# Altium PCB PCB4.PcbDoc (part 9 of 12) (continued)
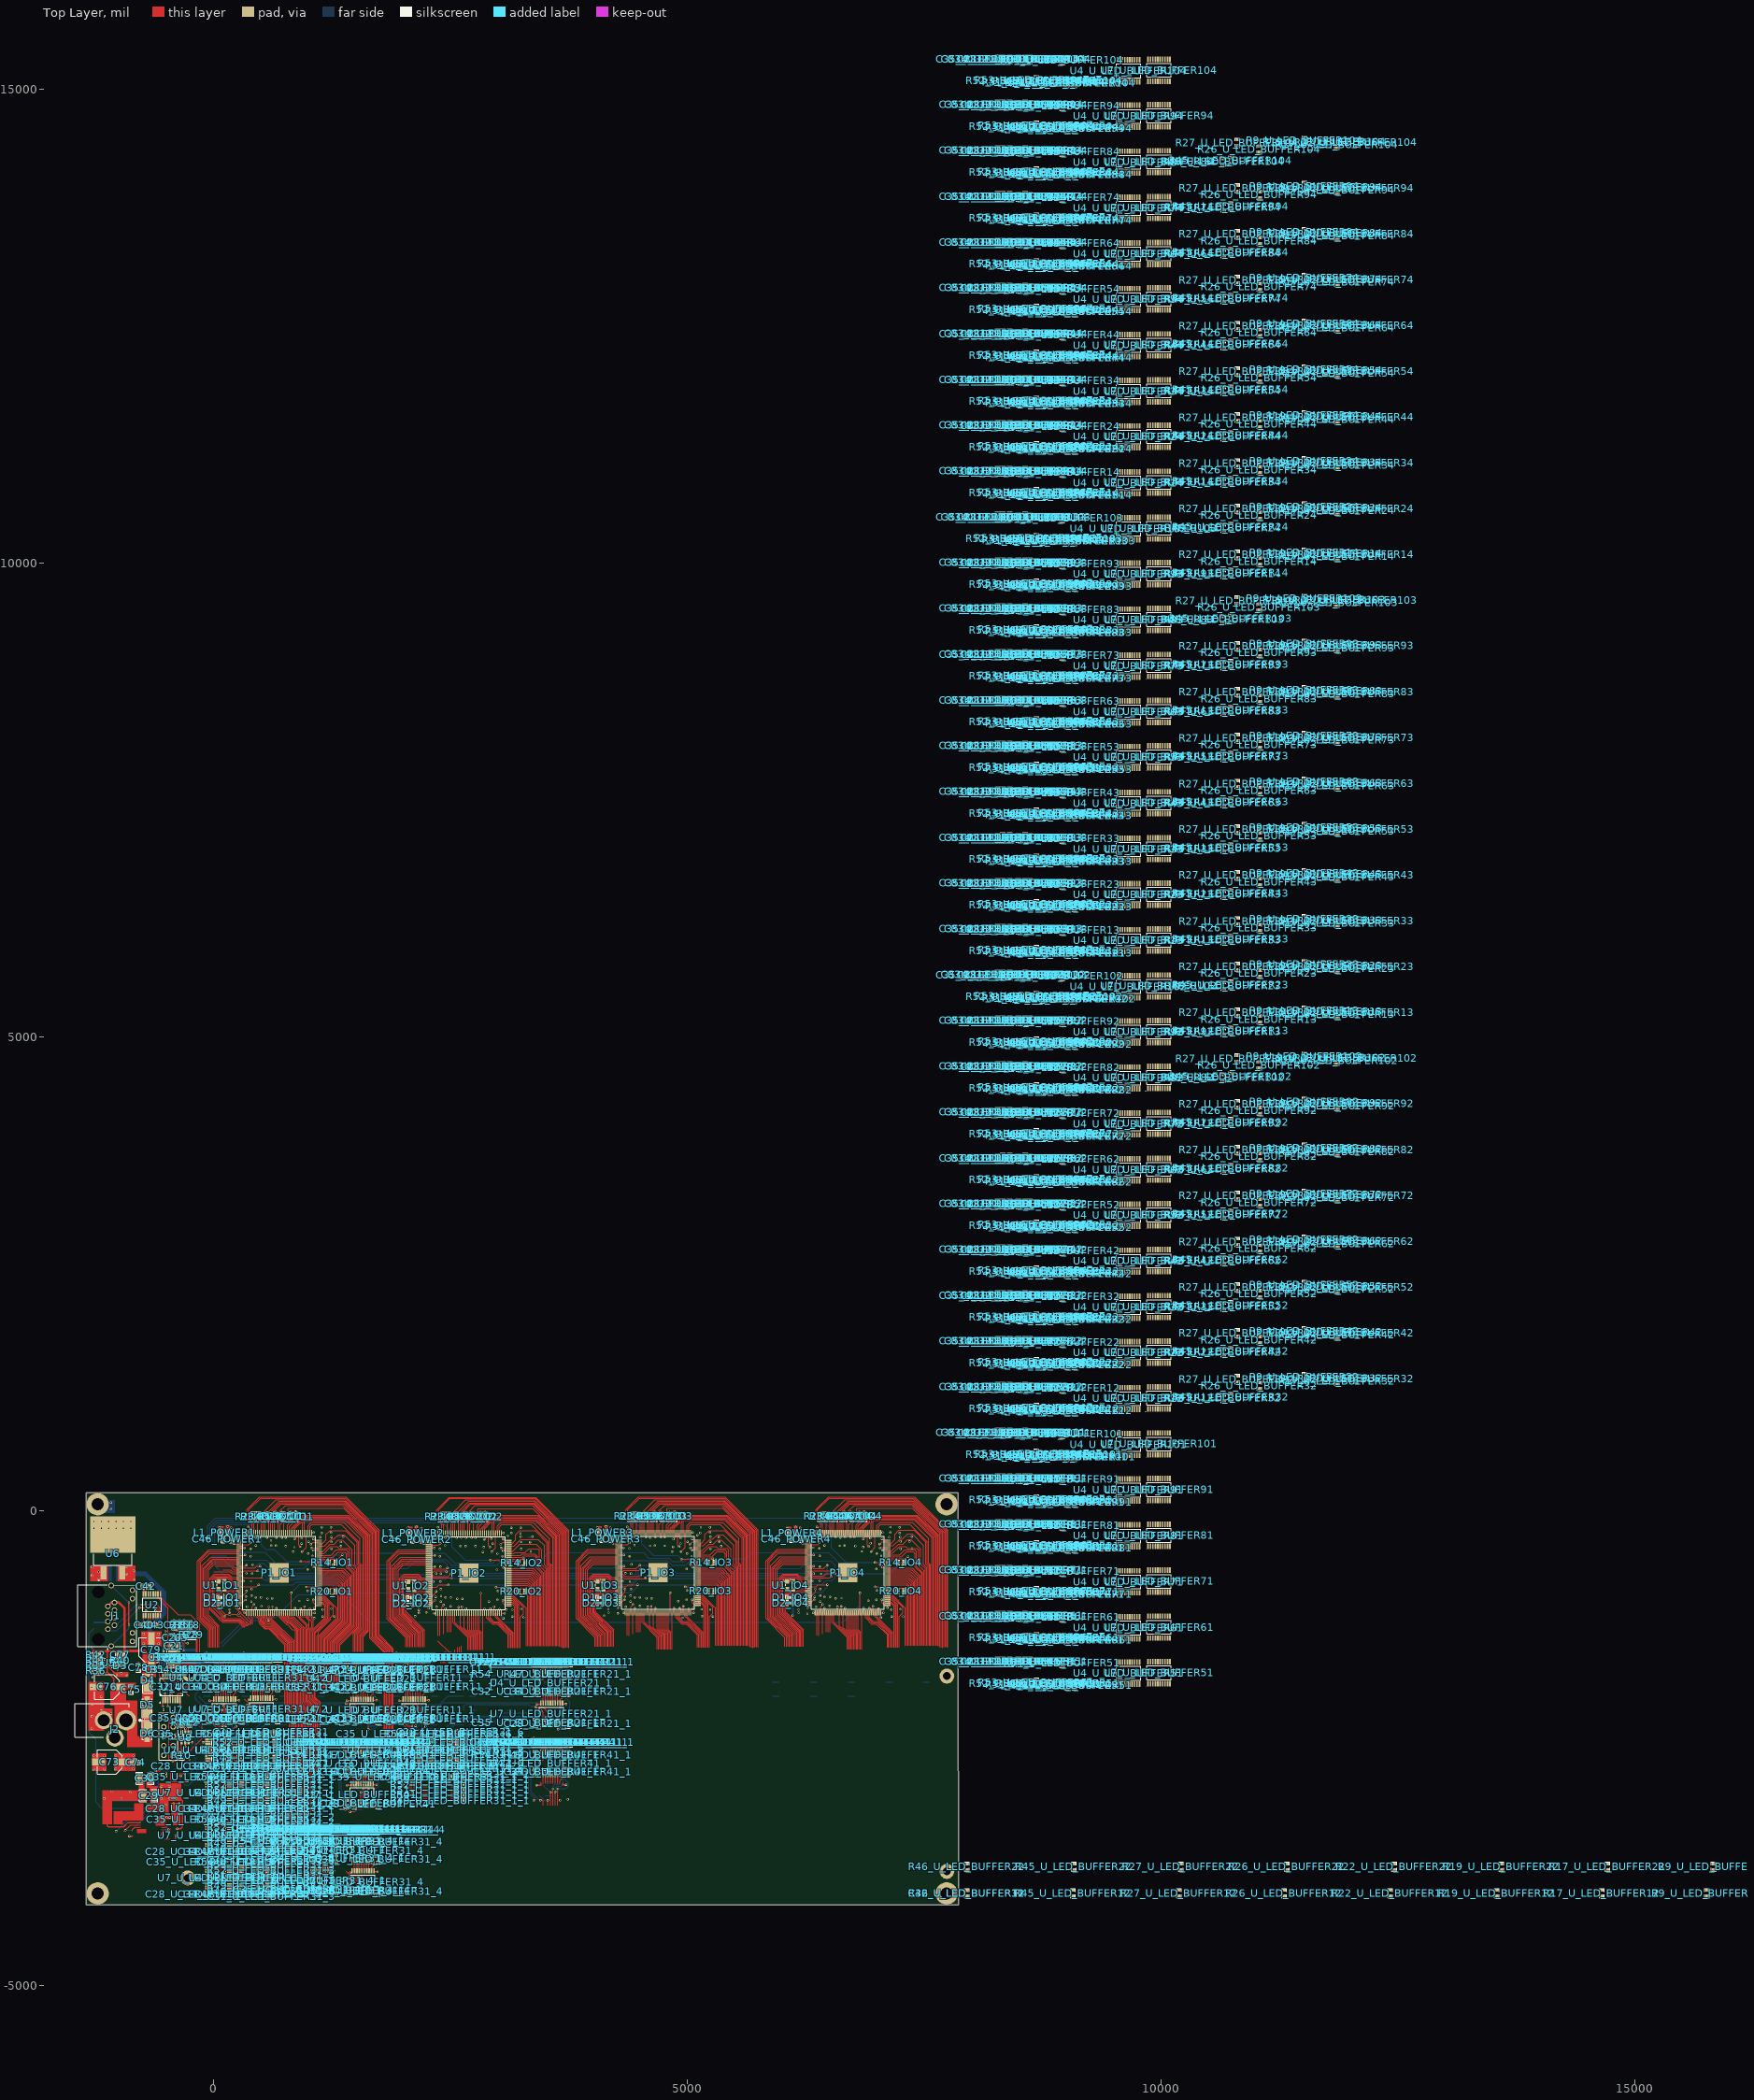
[diagram p0: Top Layer view]
## Nets (pads, with @x,y where several pads share a name; then routed paths per layer and width w, separated by ;. In a path a pad name is that pad's centre, name@x,y a point inside that pad or via, vN(x,y) a via of type N, cw(c..) or ccw(c..) an arc to the next point about the centre after c; other vN are vias at no path point) (continued)
NetR48_U_LED_BUFFER52_1: R48_U_LED_BUFFER52.1 U4_U_LED_BUFFER52.3
NetR48_U_LED_BUFFER53_1: R48_U_LED_BUFFER53.1 U4_U_LED_BUFFER53.3
NetR48_U_LED_BUFFER54_1: R48_U_LED_BUFFER54.1 U4_U_LED_BUFFER54.3
NetR48_U_LED_BUFFER61_1: R48_U_LED_BUFFER61.1 U4_U_LED_BUFFER61.3
NetR48_U_LED_BUFFER62_1: R48_U_LED_BUFFER62.1 U4_U_LED_BUFFER62.3
NetR48_U_LED_BUFFER63_1: R48_U_LED_BUFFER63.1 U4_U_LED_BUFFER63.3
NetR48_U_LED_BUFFER64_1: R48_U_LED_BUFFER64.1 U4_U_LED_BUFFER64.3
NetR48_U_LED_BUFFER71_1: R48_U_LED_BUFFER71.1 U4_U_LED_BUFFER71.3
NetR48_U_LED_BUFFER72_1: R48_U_LED_BUFFER72.1 U4_U_LED_BUFFER72.3
NetR48_U_LED_BUFFER73_1: R48_U_LED_BUFFER73.1 U4_U_LED_BUFFER73.3
NetR48_U_LED_BUFFER74_1: R48_U_LED_BUFFER74.1 U4_U_LED_BUFFER74.3
NetR48_U_LED_BUFFER81_1: R48_U_LED_BUFFER81.1 U4_U_LED_BUFFER81.3
NetR48_U_LED_BUFFER82_1: R48_U_LED_BUFFER82.1 U4_U_LED_BUFFER82.3
NetR48_U_LED_BUFFER83_1: R48_U_LED_BUFFER83.1 U4_U_LED_BUFFER83.3
NetR48_U_LED_BUFFER84_1: R48_U_LED_BUFFER84.1 U4_U_LED_BUFFER84.3
NetR48_U_LED_BUFFER91_1: R48_U_LED_BUFFER91.1 U4_U_LED_BUFFER91.3
NetR48_U_LED_BUFFER92_1: R48_U_LED_BUFFER92.1 U4_U_LED_BUFFER92.3
NetR48_U_LED_BUFFER93_1: R48_U_LED_BUFFER93.1 U4_U_LED_BUFFER93.3
NetR48_U_LED_BUFFER94_1: R48_U_LED_BUFFER94.1 U4_U_LED_BUFFER94.3
NetR48_U_LED_BUFFER101_1: R48_U_LED_BUFFER101.1 U4_U_LED_BUFFER101.3
NetR48_U_LED_BUFFER102_1: R48_U_LED_BUFFER102.1 U4_U_LED_BUFFER102.3
NetR48_U_LED_BUFFER103_1: R48_U_LED_BUFFER103.1 U4_U_LED_BUFFER103.3
NetR48_U_LED_BUFFER104_1: R48_U_LED_BUFFER104.1 U4_U_LED_BUFFER104.3
NetR49_U_LED_BUFFER11_1: R49_U_LED_BUFFER11.1 U4_U_LED_BUFFER11.4 | length 94.9
  Top Layer w7: U4_U_LED_BUFFER11.4@158.39,-1644.33 158.39,-1611.61 200,-1570 R49_U_LED_BUFFER11.1@203.33,-1570
NetR49_U_LED_BUFFER12_1: R49_U_LED_BUFFER12.1 U4_U_LED_BUFFER12.4
NetR49_U_LED_BUFFER13_1: R49_U_LED_BUFFER13.1 U4_U_LED_BUFFER13.4
NetR49_U_LED_BUFFER14_1: R49_U_LED_BUFFER14.1 U4_U_LED_BUFFER14.4
NetR49_U_LED_BUFFER21_1: R49_U_LED_BUFFER21.1 U4_U_LED_BUFFER21.4 | length 94.9
  Top Layer w7: U4_U_LED_BUFFER21.4@1608.39,-1654.33 1608.39,-1621.61 1650,-1580 R49_U_LED_BUFFER21.1@1653.33,-1580
NetR49_U_LED_BUFFER22_1: R49_U_LED_BUFFER22.1 U4_U_LED_BUFFER22.4
NetR49_U_LED_BUFFER23_1: R49_U_LED_BUFFER23.1 U4_U_LED_BUFFER23.4
NetR49_U_LED_BUFFER24_1: R49_U_LED_BUFFER24.1 U4_U_LED_BUFFER24.4
NetR49_U_LED_BUFFER31_1: R49_U_LED_BUFFER31.1 U4_U_LED_BUFFER31.4 | length 94.9
  Top Layer w7: U4_U_LED_BUFFER31.4@505.67,-2558.39 538.39,-2558.39 580,-2600 R49_U_LED_BUFFER31.1@580,-2603.33
NetR49_U_LED_BUFFER32_1: R49_U_LED_BUFFER32.1 U4_U_LED_BUFFER32.4
NetR49_U_LED_BUFFER33_1: R49_U_LED_BUFFER33.1 U4_U_LED_BUFFER33.4
NetR49_U_LED_BUFFER34_1: R49_U_LED_BUFFER34.1 U4_U_LED_BUFFER34.4
NetR49_U_LED_BUFFER41_1: R49_U_LED_BUFFER41.1 U4_U_LED_BUFFER41.4 | length 94.9
  Top Layer w7: U4_U_LED_BUFFER41.4@1608.39,-2544.33 1608.39,-2511.61 1650,-2470 R49_U_LED_BUFFER41.1@1653.33,-2470
NetR49_U_LED_BUFFER42_1: R49_U_LED_BUFFER42.1 U4_U_LED_BUFFER42.4
NetR49_U_LED_BUFFER43_1: R49_U_LED_BUFFER43.1 U4_U_LED_BUFFER43.4
NetR49_U_LED_BUFFER44_1: R49_U_LED_BUFFER44.1 U4_U_LED_BUFFER44.4
NetR49_U_LED_BUFFER51_1: R49_U_LED_BUFFER51.1 U4_U_LED_BUFFER51.4
NetR49_U_LED_BUFFER52_1: R49_U_LED_BUFFER52.1 U4_U_LED_BUFFER52.4
NetR49_U_LED_BUFFER53_1: R49_U_LED_BUFFER53.1 U4_U_LED_BUFFER53.4
NetR49_U_LED_BUFFER54_1: R49_U_LED_BUFFER54.1 U4_U_LED_BUFFER54.4
NetR49_U_LED_BUFFER61_1: R49_U_LED_BUFFER61.1 U4_U_LED_BUFFER61.4
NetR49_U_LED_BUFFER62_1: R49_U_LED_BUFFER62.1 U4_U_LED_BUFFER62.4
NetR49_U_LED_BUFFER63_1: R49_U_LED_BUFFER63.1 U4_U_LED_BUFFER63.4
NetR49_U_LED_BUFFER64_1: R49_U_LED_BUFFER64.1 U4_U_LED_BUFFER64.4
NetR49_U_LED_BUFFER71_1: R49_U_LED_BUFFER71.1 U4_U_LED_BUFFER71.4
NetR49_U_LED_BUFFER72_1: R49_U_LED_BUFFER72.1 U4_U_LED_BUFFER72.4
NetR49_U_LED_BUFFER73_1: R49_U_LED_BUFFER73.1 U4_U_LED_BUFFER73.4
NetR49_U_LED_BUFFER74_1: R49_U_LED_BUFFER74.1 U4_U_LED_BUFFER74.4
NetR49_U_LED_BUFFER81_1: R49_U_LED_BUFFER81.1 U4_U_LED_BUFFER81.4
NetR49_U_LED_BUFFER82_1: R49_U_LED_BUFFER82.1 U4_U_LED_BUFFER82.4
NetR49_U_LED_BUFFER83_1: R49_U_LED_BUFFER83.1 U4_U_LED_BUFFER83.4
NetR49_U_LED_BUFFER84_1: R49_U_LED_BUFFER84.1 U4_U_LED_BUFFER84.4
NetR49_U_LED_BUFFER91_1: R49_U_LED_BUFFER91.1 U4_U_LED_BUFFER91.4
NetR49_U_LED_BUFFER92_1: R49_U_LED_BUFFER92.1 U4_U_LED_BUFFER92.4
NetR49_U_LED_BUFFER93_1: R49_U_LED_BUFFER93.1 U4_U_LED_BUFFER93.4
NetR49_U_LED_BUFFER94_1: R49_U_LED_BUFFER94.1 U4_U_LED_BUFFER94.4
NetR49_U_LED_BUFFER101_1: R49_U_LED_BUFFER101.1 U4_U_LED_BUFFER101.4
NetR49_U_LED_BUFFER102_1: R49_U_LED_BUFFER102.1 U4_U_LED_BUFFER102.4
NetR49_U_LED_BUFFER103_1: R49_U_LED_BUFFER103.1 U4_U_LED_BUFFER103.4
NetR49_U_LED_BUFFER104_1: R49_U_LED_BUFFER104.1 U4_U_LED_BUFFER104.4
NetR50_U_LED_BUFFER11_1: R50_U_LED_BUFFER11.1 U4_U_LED_BUFFER11.5 | length 80.5
  Top Layer w7: U4_U_LED_BUFFER11.5@132.8,-1644.33 132.8,-1584.98 R50_U_LED_BUFFER11.1@147.78,-1570
NetR50_U_LED_BUFFER12_1: R50_U_LED_BUFFER12.1 U4_U_LED_BUFFER12.5
NetR50_U_LED_BUFFER13_1: R50_U_LED_BUFFER13.1 U4_U_LED_BUFFER13.5
NetR50_U_LED_BUFFER14_1: R50_U_LED_BUFFER14.1 U4_U_LED_BUFFER14.5
NetR50_U_LED_BUFFER21_1: R50_U_LED_BUFFER21.1 U4_U_LED_BUFFER21.5 | length 80.5
  Top Layer w7: U4_U_LED_BUFFER21.5@1582.8,-1654.33 1582.8,-1594.98 R50_U_LED_BUFFER21.1@1597.78,-1580
NetR50_U_LED_BUFFER22_1: R50_U_LED_BUFFER22.1 U4_U_LED_BUFFER22.5
NetR50_U_LED_BUFFER23_1: R50_U_LED_BUFFER23.1 U4_U_LED_BUFFER23.5
NetR50_U_LED_BUFFER24_1: R50_U_LED_BUFFER24.1 U4_U_LED_BUFFER24.5
NetR50_U_LED_BUFFER31_1: R50_U_LED_BUFFER31.1 U4_U_LED_BUFFER31.5 | length 80.5
  Top Layer w7: U4_U_LED_BUFFER31.5@505.67,-2532.8 565.02,-2532.8 R50_U_LED_BUFFER31.1@580,-2547.78
NetR50_U_LED_BUFFER32_1: R50_U_LED_BUFFER32.1 U4_U_LED_BUFFER32.5
NetR50_U_LED_BUFFER33_1: R50_U_LED_BUFFER33.1 U4_U_LED_BUFFER33.5
NetR50_U_LED_BUFFER34_1: R50_U_LED_BUFFER34.1 U4_U_LED_BUFFER34.5
NetR50_U_LED_BUFFER41_1: R50_U_LED_BUFFER41.1 U4_U_LED_BUFFER41.5 | length 80.5
  Top Layer w7: U4_U_LED_BUFFER41.5@1582.8,-2544.33 1582.8,-2484.98 R50_U_LED_BUFFER41.1@1597.78,-2470
NetR50_U_LED_BUFFER42_1: R50_U_LED_BUFFER42.1 U4_U_LED_BUFFER42.5
NetR50_U_LED_BUFFER43_1: R50_U_LED_BUFFER43.1 U4_U_LED_BUFFER43.5
NetR50_U_LED_BUFFER44_1: R50_U_LED_BUFFER44.1 U4_U_LED_BUFFER44.5
NetR50_U_LED_BUFFER51_1: R50_U_LED_BUFFER51.1 U4_U_LED_BUFFER51.5
NetR50_U_LED_BUFFER52_1: R50_U_LED_BUFFER52.1 U4_U_LED_BUFFER52.5
NetR50_U_LED_BUFFER53_1: R50_U_LED_BUFFER53.1 U4_U_LED_BUFFER53.5
NetR50_U_LED_BUFFER54_1: R50_U_LED_BUFFER54.1 U4_U_LED_BUFFER54.5
NetR50_U_LED_BUFFER61_1: R50_U_LED_BUFFER61.1 U4_U_LED_BUFFER61.5
NetR50_U_LED_BUFFER62_1: R50_U_LED_BUFFER62.1 U4_U_LED_BUFFER62.5
NetR50_U_LED_BUFFER63_1: R50_U_LED_BUFFER63.1 U4_U_LED_BUFFER63.5
NetR50_U_LED_BUFFER64_1: R50_U_LED_BUFFER64.1 U4_U_LED_BUFFER64.5
NetR50_U_LED_BUFFER71_1: R50_U_LED_BUFFER71.1 U4_U_LED_BUFFER71.5
NetR50_U_LED_BUFFER72_1: R50_U_LED_BUFFER72.1 U4_U_LED_BUFFER72.5
NetR50_U_LED_BUFFER73_1: R50_U_LED_BUFFER73.1 U4_U_LED_BUFFER73.5
NetR50_U_LED_BUFFER74_1: R50_U_LED_BUFFER74.1 U4_U_LED_BUFFER74.5
NetR50_U_LED_BUFFER81_1: R50_U_LED_BUFFER81.1 U4_U_LED_BUFFER81.5
NetR50_U_LED_BUFFER82_1: R50_U_LED_BUFFER82.1 U4_U_LED_BUFFER82.5
NetR50_U_LED_BUFFER83_1: R50_U_LED_BUFFER83.1 U4_U_LED_BUFFER83.5
NetR50_U_LED_BUFFER84_1: R50_U_LED_BUFFER84.1 U4_U_LED_BUFFER84.5
NetR50_U_LED_BUFFER91_1: R50_U_LED_BUFFER91.1 U4_U_LED_BUFFER91.5
NetR50_U_LED_BUFFER92_1: R50_U_LED_BUFFER92.1 U4_U_LED_BUFFER92.5
NetR50_U_LED_BUFFER93_1: R50_U_LED_BUFFER93.1 U4_U_LED_BUFFER93.5
NetR50_U_LED_BUFFER94_1: R50_U_LED_BUFFER94.1 U4_U_LED_BUFFER94.5
NetR50_U_LED_BUFFER101_1: R50_U_LED_BUFFER101.1 U4_U_LED_BUFFER101.5
NetR50_U_LED_BUFFER102_1: R50_U_LED_BUFFER102.1 U4_U_LED_BUFFER102.5
NetR50_U_LED_BUFFER103_1: R50_U_LED_BUFFER103.1 U4_U_LED_BUFFER103.5
NetR50_U_LED_BUFFER104_1: R50_U_LED_BUFFER104.1 U4_U_LED_BUFFER104.5
NetR51_U_LED_BUFFER11_1: R51_U_LED_BUFFER11.1 U4_U_LED_BUFFER11.6 | length 80.5
  Top Layer w7: R51_U_LED_BUFFER11.1@92.22,-1570 107.2,-1584.98 U4_U_LED_BUFFER11.6@107.2,-1644.33
NetR51_U_LED_BUFFER12_1: R51_U_LED_BUFFER12.1 U4_U_LED_BUFFER12.6
NetR51_U_LED_BUFFER13_1: R51_U_LED_BUFFER13.1 U4_U_LED_BUFFER13.6
NetR51_U_LED_BUFFER14_1: R51_U_LED_BUFFER14.1 U4_U_LED_BUFFER14.6
NetR51_U_LED_BUFFER21_1: R51_U_LED_BUFFER21.1 U4_U_LED_BUFFER21.6 | length 80.5
  Top Layer w7: R51_U_LED_BUFFER21.1@1542.22,-1580 1557.2,-1594.98 U4_U_LED_BUFFER21.6@1557.2,-1654.33
NetR51_U_LED_BUFFER22_1: R51_U_LED_BUFFER22.1 U4_U_LED_BUFFER22.6
NetR51_U_LED_BUFFER23_1: R51_U_LED_BUFFER23.1 U4_U_LED_BUFFER23.6
NetR51_U_LED_BUFFER24_1: R51_U_LED_BUFFER24.1 U4_U_LED_BUFFER24.6
NetR51_U_LED_BUFFER31_1: R51_U_LED_BUFFER31.1 U4_U_LED_BUFFER31.6 | length 80.5
  Top Layer w7: U4_U_LED_BUFFER31.6@505.67,-2507.2 565.02,-2507.2 R51_U_LED_BUFFER31.1@580,-2492.22
NetR51_U_LED_BUFFER32_1: R51_U_LED_BUFFER32.1 U4_U_LED_BUFFER32.6
NetR51_U_LED_BUFFER33_1: R51_U_LED_BUFFER33.1 U4_U_LED_BUFFER33.6
NetR51_U_LED_BUFFER34_1: R51_U_LED_BUFFER34.1 U4_U_LED_BUFFER34.6
NetR51_U_LED_BUFFER41_1: R51_U_LED_BUFFER41.1 U4_U_LED_BUFFER41.6 | length 80.5
  Top Layer w7: R51_U_LED_BUFFER41.1@1542.22,-2470 1557.2,-2484.98 U4_U_LED_BUFFER41.6@1557.2,-2544.33
NetR51_U_LED_BUFFER42_1: R51_U_LED_BUFFER42.1 U4_U_LED_BUFFER42.6
NetR51_U_LED_BUFFER43_1: R51_U_LED_BUFFER43.1 U4_U_LED_BUFFER43.6
NetR51_U_LED_BUFFER44_1: R51_U_LED_BUFFER44.1 U4_U_LED_BUFFER44.6
NetR51_U_LED_BUFFER51_1: R51_U_LED_BUFFER51.1 U4_U_LED_BUFFER51.6
NetR51_U_LED_BUFFER52_1: R51_U_LED_BUFFER52.1 U4_U_LED_BUFFER52.6
NetR51_U_LED_BUFFER53_1: R51_U_LED_BUFFER53.1 U4_U_LED_BUFFER53.6
NetR51_U_LED_BUFFER54_1: R51_U_LED_BUFFER54.1 U4_U_LED_BUFFER54.6
NetR51_U_LED_BUFFER61_1: R51_U_LED_BUFFER61.1 U4_U_LED_BUFFER61.6
NetR51_U_LED_BUFFER62_1: R51_U_LED_BUFFER62.1 U4_U_LED_BUFFER62.6
NetR51_U_LED_BUFFER63_1: R51_U_LED_BUFFER63.1 U4_U_LED_BUFFER63.6
NetR51_U_LED_BUFFER64_1: R51_U_LED_BUFFER64.1 U4_U_LED_BUFFER64.6
NetR51_U_LED_BUFFER71_1: R51_U_LED_BUFFER71.1 U4_U_LED_BUFFER71.6
NetR51_U_LED_BUFFER72_1: R51_U_LED_BUFFER72.1 U4_U_LED_BUFFER72.6
NetR51_U_LED_BUFFER73_1: R51_U_LED_BUFFER73.1 U4_U_LED_BUFFER73.6
NetR51_U_LED_BUFFER74_1: R51_U_LED_BUFFER74.1 U4_U_LED_BUFFER74.6
NetR51_U_LED_BUFFER81_1: R51_U_LED_BUFFER81.1 U4_U_LED_BUFFER81.6
NetR51_U_LED_BUFFER82_1: R51_U_LED_BUFFER82.1 U4_U_LED_BUFFER82.6
NetR51_U_LED_BUFFER83_1: R51_U_LED_BUFFER83.1 U4_U_LED_BUFFER83.6
NetR51_U_LED_BUFFER84_1: R51_U_LED_BUFFER84.1 U4_U_LED_BUFFER84.6
NetR51_U_LED_BUFFER91_1: R51_U_LED_BUFFER91.1 U4_U_LED_BUFFER91.6
NetR51_U_LED_BUFFER92_1: R51_U_LED_BUFFER92.1 U4_U_LED_BUFFER92.6
NetR51_U_LED_BUFFER93_1: R51_U_LED_BUFFER93.1 U4_U_LED_BUFFER93.6
NetR51_U_LED_BUFFER94_1: R51_U_LED_BUFFER94.1 U4_U_LED_BUFFER94.6
NetR51_U_LED_BUFFER101_1: R51_U_LED_BUFFER101.1 U4_U_LED_BUFFER101.6
NetR51_U_LED_BUFFER102_1: R51_U_LED_BUFFER102.1 U4_U_LED_BUFFER102.6
NetR51_U_LED_BUFFER103_1: R51_U_LED_BUFFER103.1 U4_U_LED_BUFFER103.6
NetR51_U_LED_BUFFER104_1: R51_U_LED_BUFFER104.1 U4_U_LED_BUFFER104.6
NetR52_U_LED_BUFFER11_1: R52_U_LED_BUFFER11.1 U4_U_LED_BUFFER11.7 | length 92.9
  Top Layer w7: R52_U_LED_BUFFER11.1@36.67,-1570 81.61,-1614.95 U4_U_LED_BUFFER11.7@81.61,-1644.33
NetR52_U_LED_BUFFER12_1: R52_U_LED_BUFFER12.1 U4_U_LED_BUFFER12.7
NetR52_U_LED_BUFFER13_1: R52_U_LED_BUFFER13.1 U4_U_LED_BUFFER13.7
NetR52_U_LED_BUFFER14_1: R52_U_LED_BUFFER14.1 U4_U_LED_BUFFER14.7
NetR52_U_LED_BUFFER21_1: R52_U_LED_BUFFER21.1 U4_U_LED_BUFFER21.7 | length 92.9
  Top Layer w7: R52_U_LED_BUFFER21.1@1486.67,-1580 1531.61,-1624.95 U4_U_LED_BUFFER21.7@1531.61,-1654.33
NetR52_U_LED_BUFFER22_1: R52_U_LED_BUFFER22.1 U4_U_LED_BUFFER22.7
NetR52_U_LED_BUFFER23_1: R52_U_LED_BUFFER23.1 U4_U_LED_BUFFER23.7
NetR52_U_LED_BUFFER24_1: R52_U_LED_BUFFER24.1 U4_U_LED_BUFFER24.7
NetR52_U_LED_BUFFER31_1: R52_U_LED_BUFFER31.1 U4_U_LED_BUFFER31.7 | length 92.9
  Top Layer w7: U4_U_LED_BUFFER31.7@505.67,-2481.61 535.05,-2481.61 R52_U_LED_BUFFER31.1@580,-2436.67
NetR52_U_LED_BUFFER32_1: R52_U_LED_BUFFER32.1 U4_U_LED_BUFFER32.7
NetR52_U_LED_BUFFER33_1: R52_U_LED_BUFFER33.1 U4_U_LED_BUFFER33.7
NetR52_U_LED_BUFFER34_1: R52_U_LED_BUFFER34.1 U4_U_LED_BUFFER34.7
NetR52_U_LED_BUFFER41_1: R52_U_LED_BUFFER41.1 U4_U_LED_BUFFER41.7 | length 92.9
  Top Layer w7: R52_U_LED_BUFFER41.1@1486.67,-2470 1531.61,-2514.95 U4_U_LED_BUFFER41.7@1531.61,-2544.33
NetR52_U_LED_BUFFER42_1: R52_U_LED_BUFFER42.1 U4_U_LED_BUFFER42.7
NetR52_U_LED_BUFFER43_1: R52_U_LED_BUFFER43.1 U4_U_LED_BUFFER43.7
NetR52_U_LED_BUFFER44_1: R52_U_LED_BUFFER44.1 U4_U_LED_BUFFER44.7
NetR52_U_LED_BUFFER51_1: R52_U_LED_BUFFER51.1 U4_U_LED_BUFFER51.7
NetR52_U_LED_BUFFER52_1: R52_U_LED_BUFFER52.1 U4_U_LED_BUFFER52.7
NetR52_U_LED_BUFFER53_1: R52_U_LED_BUFFER53.1 U4_U_LED_BUFFER53.7
NetR52_U_LED_BUFFER54_1: R52_U_LED_BUFFER54.1 U4_U_LED_BUFFER54.7
NetR52_U_LED_BUFFER61_1: R52_U_LED_BUFFER61.1 U4_U_LED_BUFFER61.7
NetR52_U_LED_BUFFER62_1: R52_U_LED_BUFFER62.1 U4_U_LED_BUFFER62.7
NetR52_U_LED_BUFFER63_1: R52_U_LED_BUFFER63.1 U4_U_LED_BUFFER63.7
NetR52_U_LED_BUFFER64_1: R52_U_LED_BUFFER64.1 U4_U_LED_BUFFER64.7
NetR52_U_LED_BUFFER71_1: R52_U_LED_BUFFER71.1 U4_U_LED_BUFFER71.7
NetR52_U_LED_BUFFER72_1: R52_U_LED_BUFFER72.1 U4_U_LED_BUFFER72.7
NetR52_U_LED_BUFFER73_1: R52_U_LED_BUFFER73.1 U4_U_LED_BUFFER73.7
NetR52_U_LED_BUFFER74_1: R52_U_LED_BUFFER74.1 U4_U_LED_BUFFER74.7
NetR52_U_LED_BUFFER81_1: R52_U_LED_BUFFER81.1 U4_U_LED_BUFFER81.7
NetR52_U_LED_BUFFER82_1: R52_U_LED_BUFFER82.1 U4_U_LED_BUFFER82.7
NetR52_U_LED_BUFFER83_1: R52_U_LED_BUFFER83.1 U4_U_LED_BUFFER83.7
NetR52_U_LED_BUFFER84_1: R52_U_LED_BUFFER84.1 U4_U_LED_BUFFER84.7
NetR52_U_LED_BUFFER91_1: R52_U_LED_BUFFER91.1 U4_U_LED_BUFFER91.7
NetR52_U_LED_BUFFER92_1: R52_U_LED_BUFFER92.1 U4_U_LED_BUFFER92.7
NetR52_U_LED_BUFFER93_1: R52_U_LED_BUFFER93.1 U4_U_LED_BUFFER93.7
NetR52_U_LED_BUFFER94_1: R52_U_LED_BUFFER94.1 U4_U_LED_BUFFER94.7
NetR52_U_LED_BUFFER101_1: R52_U_LED_BUFFER101.1 U4_U_LED_BUFFER101.7
NetR52_U_LED_BUFFER102_1: R52_U_LED_BUFFER102.1 U4_U_LED_BUFFER102.7
NetR52_U_LED_BUFFER103_1: R52_U_LED_BUFFER103.1 U4_U_LED_BUFFER103.7
NetR52_U_LED_BUFFER104_1: R52_U_LED_BUFFER104.1 U4_U_LED_BUFFER104.7
NetR53_U_LED_BUFFER11_1: R53_U_LED_BUFFER11.1 U4_U_LED_BUFFER11.8 | length 126.6
  Top Layer w7: R53_U_LED_BUFFER11.1@-18.89,-1570 -18.31,-1570 16.86,-1605.16 17.23,-1604.8 51.66,-1604.8 56,-1609.13 56,-1611.36 ; U4_U_LED_BUFFER11.8@56.02,-1644.33 56.02,-1611.39
NetR53_U_LED_BUFFER12_1: R53_U_LED_BUFFER12.1 U4_U_LED_BUFFER12.8
NetR53_U_LED_BUFFER13_1: R53_U_LED_BUFFER13.1 U4_U_LED_BUFFER13.8
NetR53_U_LED_BUFFER14_1: R53_U_LED_BUFFER14.1 U4_U_LED_BUFFER14.8
NetR53_U_LED_BUFFER21_1: R53_U_LED_BUFFER21.1 U4_U_LED_BUFFER21.8 | length 126.6
  Top Layer w7: R53_U_LED_BUFFER21.1@1431.11,-1580 1431.69,-1580 1466.86,-1615.16 1467.23,-1614.8 1501.66,-1614.8 1506,-1619.13 1506,-1621.36 ; U4_U_LED_BUFFER21.8@1506.02,-1654.33 1506.02,-1621.39
NetR53_U_LED_BUFFER22_1: R53_U_LED_BUFFER22.1 U4_U_LED_BUFFER22.8
NetR53_U_LED_BUFFER23_1: R53_U_LED_BUFFER23.1 U4_U_LED_BUFFER23.8
NetR53_U_LED_BUFFER24_1: R53_U_LED_BUFFER24.1 U4_U_LED_BUFFER24.8
NetR53_U_LED_BUFFER31_1: R53_U_LED_BUFFER31.1 U4_U_LED_BUFFER31.8 | length 126.6
  Top Layer w7: U4_U_LED_BUFFER31.8@505.67,-2456.02 538.61,-2456.02 ; 538.64,-2456 540.87,-2456 545.2,-2451.66 545.2,-2417.23 544.84,-2416.86 580,-2381.69 R53_U_LED_BUFFER31.1@580,-2381.11
NetR53_U_LED_BUFFER32_1: R53_U_LED_BUFFER32.1 U4_U_LED_BUFFER32.8
NetR53_U_LED_BUFFER33_1: R53_U_LED_BUFFER33.1 U4_U_LED_BUFFER33.8
NetR53_U_LED_BUFFER34_1: R53_U_LED_BUFFER34.1 U4_U_LED_BUFFER34.8
NetR53_U_LED_BUFFER41_1: R53_U_LED_BUFFER41.1 U4_U_LED_BUFFER41.8 | length 126.6
  Top Layer w7: R53_U_LED_BUFFER41.1@1431.11,-2470 1431.69,-2470 1466.86,-2505.16 1467.23,-2504.8 1501.66,-2504.8 1506,-2509.13 1506,-2511.36 ; U4_U_LED_BUFFER41.8@1506.02,-2544.33 1506.02,-2511.39
NetR53_U_LED_BUFFER42_1: R53_U_LED_BUFFER42.1 U4_U_LED_BUFFER42.8
NetR53_U_LED_BUFFER43_1: R53_U_LED_BUFFER43.1 U4_U_LED_BUFFER43.8
NetR53_U_LED_BUFFER44_1: R53_U_LED_BUFFER44.1 U4_U_LED_BUFFER44.8
NetR53_U_LED_BUFFER51_1: R53_U_LED_BUFFER51.1 U4_U_LED_BUFFER51.8
NetR53_U_LED_BUFFER52_1: R53_U_LED_BUFFER52.1 U4_U_LED_BUFFER52.8
NetR53_U_LED_BUFFER53_1: R53_U_LED_BUFFER53.1 U4_U_LED_BUFFER53.8
NetR53_U_LED_BUFFER54_1: R53_U_LED_BUFFER54.1 U4_U_LED_BUFFER54.8
NetR53_U_LED_BUFFER61_1: R53_U_LED_BUFFER61.1 U4_U_LED_BUFFER61.8
NetR53_U_LED_BUFFER62_1: R53_U_LED_BUFFER62.1 U4_U_LED_BUFFER62.8
NetR53_U_LED_BUFFER63_1: R53_U_LED_BUFFER63.1 U4_U_LED_BUFFER63.8
NetR53_U_LED_BUFFER64_1: R53_U_LED_BUFFER64.1 U4_U_LED_BUFFER64.8
NetR53_U_LED_BUFFER71_1: R53_U_LED_BUFFER71.1 U4_U_LED_BUFFER71.8
NetR53_U_LED_BUFFER72_1: R53_U_LED_BUFFER72.1 U4_U_LED_BUFFER72.8
NetR53_U_LED_BUFFER73_1: R53_U_LED_BUFFER73.1 U4_U_LED_BUFFER73.8
NetR53_U_LED_BUFFER74_1: R53_U_LED_BUFFER74.1 U4_U_LED_BUFFER74.8
NetR53_U_LED_BUFFER81_1: R53_U_LED_BUFFER81.1 U4_U_LED_BUFFER81.8
NetR53_U_LED_BUFFER82_1: R53_U_LED_BUFFER82.1 U4_U_LED_BUFFER82.8
NetR53_U_LED_BUFFER83_1: R53_U_LED_BUFFER83.1 U4_U_LED_BUFFER83.8
NetR53_U_LED_BUFFER84_1: R53_U_LED_BUFFER84.1 U4_U_LED_BUFFER84.8
NetR53_U_LED_BUFFER91_1: R53_U_LED_BUFFER91.1 U4_U_LED_BUFFER91.8
NetR53_U_LED_BUFFER92_1: R53_U_LED_BUFFER92.1 U4_U_LED_BUFFER92.8
NetR53_U_LED_BUFFER93_1: R53_U_LED_BUFFER93.1 U4_U_LED_BUFFER93.8
NetR53_U_LED_BUFFER94_1: R53_U_LED_BUFFER94.1 U4_U_LED_BUFFER94.8
NetR53_U_LED_BUFFER101_1: R53_U_LED_BUFFER101.1 U4_U_LED_BUFFER101.8
NetR53_U_LED_BUFFER102_1: R53_U_LED_BUFFER102.1 U4_U_LED_BUFFER102.8
NetR53_U_LED_BUFFER103_1: R53_U_LED_BUFFER103.1 U4_U_LED_BUFFER103.8
NetR53_U_LED_BUFFER104_1: R53_U_LED_BUFFER104.1 U4_U_LED_BUFFER104.8
NetR54_U_LED_BUFFER11_1: R54_U_LED_BUFFER11.1 U4_U_LED_BUFFER11.9 | length 184.5
  Top Layer w7: R54_U_LED_BUFFER11.1@-48.36,-1700 -48.36,-1717.5 -35.87,-1730 25.9,-1730 30,-1725.9 30,-1644.76 U4_U_LED_BUFFER11.9@30.43,-1644.33
NetR54_U_LED_BUFFER12_1: R54_U_LED_BUFFER12.1 U4_U_LED_BUFFER12.9
NetR54_U_LED_BUFFER13_1: R54_U_LED_BUFFER13.1 U4_U_LED_BUFFER13.9
NetR54_U_LED_BUFFER14_1: R54_U_LED_BUFFER14.1 U4_U_LED_BUFFER14.9
NetR54_U_LED_BUFFER21_1: R54_U_LED_BUFFER21.1 U4_U_LED_BUFFER21.9 | length 184.5
  Top Layer w7: R54_U_LED_BUFFER21.1@1401.64,-1710 1401.64,-1727.5 1414.13,-1740 1475.9,-1740 1480,-1735.9 1480,-1654.76 U4_U_LED_BUFFER21.9@1480.43,-1654.33
NetR54_U_LED_BUFFER22_1: R54_U_LED_BUFFER22.1 U4_U_LED_BUFFER22.9
NetR54_U_LED_BUFFER23_1: R54_U_LED_BUFFER23.1 U4_U_LED_BUFFER23.9
NetR54_U_LED_BUFFER24_1: R54_U_LED_BUFFER24.1 U4_U_LED_BUFFER24.9
NetR54_U_LED_BUFFER31_1: R54_U_LED_BUFFER31.1 U4_U_LED_BUFFER31.9 | length 184.5
  Top Layer w7: R54_U_LED_BUFFER31.1@450,-2351.64 432.5,-2351.64 420,-2364.13 420,-2425.9 424.1,-2430 505.24,-2430 U4_U_LED_BUFFER31.9@505.67,-2430.43
NetR54_U_LED_BUFFER32_1: R54_U_LED_BUFFER32.1 U4_U_LED_BUFFER32.9
NetR54_U_LED_BUFFER33_1: R54_U_LED_BUFFER33.1 U4_U_LED_BUFFER33.9
NetR54_U_LED_BUFFER34_1: R54_U_LED_BUFFER34.1 U4_U_LED_BUFFER34.9
NetR54_U_LED_BUFFER41_1: R54_U_LED_BUFFER41.1 U4_U_LED_BUFFER41.9 | length 184.5
  Top Layer w7: R54_U_LED_BUFFER41.1@1401.64,-2600 1401.64,-2617.5 1414.13,-2630 1475.9,-2630 1480,-2625.9 1480,-2544.76 U4_U_LED_BUFFER41.9@1480.43,-2544.33
NetR54_U_LED_BUFFER42_1: R54_U_LED_BUFFER42.1 U4_U_LED_BUFFER42.9
NetR54_U_LED_BUFFER43_1: R54_U_LED_BUFFER43.1 U4_U_LED_BUFFER43.9
NetR54_U_LED_BUFFER44_1: R54_U_LED_BUFFER44.1 U4_U_LED_BUFFER44.9
NetR54_U_LED_BUFFER51_1: R54_U_LED_BUFFER51.1 U4_U_LED_BUFFER51.9
NetR54_U_LED_BUFFER52_1: R54_U_LED_BUFFER52.1 U4_U_LED_BUFFER52.9
NetR54_U_LED_BUFFER53_1: R54_U_LED_BUFFER53.1 U4_U_LED_BUFFER53.9
NetR54_U_LED_BUFFER54_1: R54_U_LED_BUFFER54.1 U4_U_LED_BUFFER54.9
NetR54_U_LED_BUFFER61_1: R54_U_LED_BUFFER61.1 U4_U_LED_BUFFER61.9
NetR54_U_LED_BUFFER62_1: R54_U_LED_BUFFER62.1 U4_U_LED_BUFFER62.9
NetR54_U_LED_BUFFER63_1: R54_U_LED_BUFFER63.1 U4_U_LED_BUFFER63.9
NetR54_U_LED_BUFFER64_1: R54_U_LED_BUFFER64.1 U4_U_LED_BUFFER64.9
NetR54_U_LED_BUFFER71_1: R54_U_LED_BUFFER71.1 U4_U_LED_BUFFER71.9
NetR54_U_LED_BUFFER72_1: R54_U_LED_BUFFER72.1 U4_U_LED_BUFFER72.9
NetR54_U_LED_BUFFER73_1: R54_U_LED_BUFFER73.1 U4_U_LED_BUFFER73.9
NetR54_U_LED_BUFFER74_1: R54_U_LED_BUFFER74.1 U4_U_LED_BUFFER74.9
NetR54_U_LED_BUFFER81_1: R54_U_LED_BUFFER81.1 U4_U_LED_BUFFER81.9
NetR54_U_LED_BUFFER82_1: R54_U_LED_BUFFER82.1 U4_U_LED_BUFFER82.9
NetR54_U_LED_BUFFER83_1: R54_U_LED_BUFFER83.1 U4_U_LED_BUFFER83.9
NetR54_U_LED_BUFFER84_1: R54_U_LED_BUFFER84.1 U4_U_LED_BUFFER84.9
NetR54_U_LED_BUFFER91_1: R54_U_LED_BUFFER91.1 U4_U_LED_BUFFER91.9
NetR54_U_LED_BUFFER92_1: R54_U_LED_BUFFER92.1 U4_U_LED_BUFFER92.9
NetR54_U_LED_BUFFER93_1: R54_U_LED_BUFFER93.1 U4_U_LED_BUFFER93.9
NetR54_U_LED_BUFFER94_1: R54_U_LED_BUFFER94.1 U4_U_LED_BUFFER94.9
NetR54_U_LED_BUFFER101_1: R54_U_LED_BUFFER101.1 U4_U_LED_BUFFER101.9
NetR54_U_LED_BUFFER102_1: R54_U_LED_BUFFER102.1 U4_U_LED_BUFFER102.9
NetR54_U_LED_BUFFER103_1: R54_U_LED_BUFFER103.1 U4_U_LED_BUFFER103.9
NetR54_U_LED_BUFFER104_1: R54_U_LED_BUFFER104.1 U4_U_LED_BUFFER104.9
NetU4_U_LED_BUFFER11_12: U4_U_LED_BUFFER11.12 U7_U_LED_BUFFER11.9 | length 98.7
  Top Layer w7: U7_U_LED_BUFFER11.9@30.43,-1974.33 U4_U_LED_BUFFER11.12@30.43,-1875.67
NetU4_U_LED_BUFFER11_13: U4_U_LED_BUFFER11.13 U7_U_LED_BUFFER11.8 | length 98.7
  Top Layer w7: U7_U_LED_BUFFER11.8@56.02,-1974.33 U4_U_LED_BUFFER11.13@56.02,-1875.67
NetU4_U_LED_BUFFER11_14: U4_U_LED_BUFFER11.14 U7_U_LED_BUFFER11.7 | length 98.7
  Top Layer w7: U7_U_LED_BUFFER11.7@80,-1978.66 U4_U_LED_BUFFER11.14@80,-1880
NetU4_U_LED_BUFFER11_15: U4_U_LED_BUFFER11.15 U7_U_LED_BUFFER11.6 | length 98.7
  Top Layer w7: U7_U_LED_BUFFER11.6@107.2,-1974.33 U4_U_LED_BUFFER11.15@107.2,-1875.67
NetU4_U_LED_BUFFER11_16: U4_U_LED_BUFFER11.16 U7_U_LED_BUFFER11.5 | length 98.7
  Top Layer w7: U7_U_LED_BUFFER11.5@132.8,-1974.33 U4_U_LED_BUFFER11.16@132.8,-1875.67
NetU4_U_LED_BUFFER11_17: U4_U_LED_BUFFER11.17 U7_U_LED_BUFFER11.4 | length 98.7
  Top Layer w7: U7_U_LED_BUFFER11.4@158.39,-1974.33 U4_U_LED_BUFFER11.17@158.39,-1875.67
NetU4_U_LED_BUFFER11_18: U4_U_LED_BUFFER11.18 U7_U_LED_BUFFER11.3 | length 98.7
  Top Layer w7: U7_U_LED_BUFFER11.3@183.98,-1974.33 U4_U_LED_BUFFER11.18@183.98,-1875.67
NetU4_U_LED_BUFFER11_20: U4_U_LED_BUFFER11.20 U7_U_LED_BUFFER11.2 | length 109.3
  Top Layer w7: U7_U_LED_BUFFER11.2@209.57,-1974.33 209.57,-1940.43 235.16,-1914.84 U4_U_LED_BUFFER11.20@235.16,-1875.67
NetU4_U_LED_BUFFER12_12: U4_U_LED_BUFFER12.12 U7_U_LED_BUFFER12.9
NetU4_U_LED_BUFFER12_13: U4_U_LED_BUFFER12.13 U7_U_LED_BUFFER12.8
NetU4_U_LED_BUFFER12_14: U4_U_LED_BUFFER12.14 U7_U_LED_BUFFER12.7
NetU4_U_LED_BUFFER12_15: U4_U_LED_BUFFER12.15 U7_U_LED_BUFFER12.6
NetU4_U_LED_BUFFER12_16: U4_U_LED_BUFFER12.16 U7_U_LED_BUFFER12.5
NetU4_U_LED_BUFFER12_17: U4_U_LED_BUFFER12.17 U7_U_LED_BUFFER12.4
NetU4_U_LED_BUFFER12_18: U4_U_LED_BUFFER12.18 U7_U_LED_BUFFER12.3
NetU4_U_LED_BUFFER12_20: U4_U_LED_BUFFER12.20 U7_U_LED_BUFFER12.2
NetU4_U_LED_BUFFER13_12: U4_U_LED_BUFFER13.12 U7_U_LED_BUFFER13.9
NetU4_U_LED_BUFFER13_13: U4_U_LED_BUFFER13.13 U7_U_LED_BUFFER13.8
NetU4_U_LED_BUFFER13_14: U4_U_LED_BUFFER13.14 U7_U_LED_BUFFER13.7
NetU4_U_LED_BUFFER13_15: U4_U_LED_BUFFER13.15 U7_U_LED_BUFFER13.6
NetU4_U_LED_BUFFER13_16: U4_U_LED_BUFFER13.16 U7_U_LED_BUFFER13.5
NetU4_U_LED_BUFFER13_17: U4_U_LED_BUFFER13.17 U7_U_LED_BUFFER13.4
NetU4_U_LED_BUFFER13_18: U4_U_LED_BUFFER13.18 U7_U_LED_BUFFER13.3
NetU4_U_LED_BUFFER13_20: U4_U_LED_BUFFER13.20 U7_U_LED_BUFFER13.2
NetU4_U_LED_BUFFER14_12: U4_U_LED_BUFFER14.12 U7_U_LED_BUFFER14.9
NetU4_U_LED_BUFFER14_13: U4_U_LED_BUFFER14.13 U7_U_LED_BUFFER14.8
NetU4_U_LED_BUFFER14_14: U4_U_LED_BUFFER14.14 U7_U_LED_BUFFER14.7
NetU4_U_LED_BUFFER14_15: U4_U_LED_BUFFER14.15 U7_U_LED_BUFFER14.6
NetU4_U_LED_BUFFER14_16: U4_U_LED_BUFFER14.16 U7_U_LED_BUFFER14.5
NetU4_U_LED_BUFFER14_17: U4_U_LED_BUFFER14.17 U7_U_LED_BUFFER14.4
NetU4_U_LED_BUFFER14_18: U4_U_LED_BUFFER14.18 U7_U_LED_BUFFER14.3
NetU4_U_LED_BUFFER14_20: U4_U_LED_BUFFER14.20 U7_U_LED_BUFFER14.2
NetU4_U_LED_BUFFER21_12: U4_U_LED_BUFFER21.12 U7_U_LED_BUFFER21.9 | length 98.7
  Top Layer w7: U7_U_LED_BUFFER21.9@1480.43,-1984.33 U4_U_LED_BUFFER21.12@1480.43,-1885.67
NetU4_U_LED_BUFFER21_13: U4_U_LED_BUFFER21.13 U7_U_LED_BUFFER21.8 | length 98.7
  Top Layer w7: U7_U_LED_BUFFER21.8@1506.02,-1984.33 U4_U_LED_BUFFER21.13@1506.02,-1885.67
NetU4_U_LED_BUFFER21_14: U4_U_LED_BUFFER21.14 U7_U_LED_BUFFER21.7 | length 98.7
  Top Layer w7: U7_U_LED_BUFFER21.7@1530,-1988.66 U4_U_LED_BUFFER21.14@1530,-1890
NetU4_U_LED_BUFFER21_15: U4_U_LED_BUFFER21.15 U7_U_LED_BUFFER21.6 | length 98.7
  Top Layer w7: U7_U_LED_BUFFER21.6@1557.2,-1984.33 U4_U_LED_BUFFER21.15@1557.2,-1885.67
NetU4_U_LED_BUFFER21_16: U4_U_LED_BUFFER21.16 U7_U_LED_BUFFER21.5 | length 98.7
  Top Layer w7: U7_U_LED_BUFFER21.5@1582.8,-1984.33 U4_U_LED_BUFFER21.16@1582.8,-1885.67
NetU4_U_LED_BUFFER21_17: U4_U_LED_BUFFER21.17 U7_U_LED_BUFFER21.4 | length 98.7
  Top Layer w7: U7_U_LED_BUFFER21.4@1608.39,-1984.33 U4_U_LED_BUFFER21.17@1608.39,-1885.67
NetU4_U_LED_BUFFER21_18: U4_U_LED_BUFFER21.18 U7_U_LED_BUFFER21.3 | length 98.7
  Top Layer w7: U7_U_LED_BUFFER21.3@1633.98,-1984.33 U4_U_LED_BUFFER21.18@1633.98,-1885.67
NetU4_U_LED_BUFFER21_20: U4_U_LED_BUFFER21.20 U7_U_LED_BUFFER21.2 | length 109.3
  Top Layer w7: U7_U_LED_BUFFER21.2@1659.57,-1984.33 1659.57,-1950.43 1685.16,-1924.84 U4_U_LED_BUFFER21.20@1685.16,-1885.67
NetU4_U_LED_BUFFER22_12: U4_U_LED_BUFFER22.12 U7_U_LED_BUFFER22.9
NetU4_U_LED_BUFFER22_13: U4_U_LED_BUFFER22.13 U7_U_LED_BUFFER22.8
NetU4_U_LED_BUFFER22_14: U4_U_LED_BUFFER22.14 U7_U_LED_BUFFER22.7
NetU4_U_LED_BUFFER22_15: U4_U_LED_BUFFER22.15 U7_U_LED_BUFFER22.6
NetU4_U_LED_BUFFER22_16: U4_U_LED_BUFFER22.16 U7_U_LED_BUFFER22.5
NetU4_U_LED_BUFFER22_17: U4_U_LED_BUFFER22.17 U7_U_LED_BUFFER22.4
NetU4_U_LED_BUFFER22_18: U4_U_LED_BUFFER22.18 U7_U_LED_BUFFER22.3
NetU4_U_LED_BUFFER22_20: U4_U_LED_BUFFER22.20 U7_U_LED_BUFFER22.2
NetU4_U_LED_BUFFER23_12: U4_U_LED_BUFFER23.12 U7_U_LED_BUFFER23.9
NetU4_U_LED_BUFFER23_13: U4_U_LED_BUFFER23.13 U7_U_LED_BUFFER23.8
NetU4_U_LED_BUFFER23_14: U4_U_LED_BUFFER23.14 U7_U_LED_BUFFER23.7
NetU4_U_LED_BUFFER23_15: U4_U_LED_BUFFER23.15 U7_U_LED_BUFFER23.6
NetU4_U_LED_BUFFER23_16: U4_U_LED_BUFFER23.16 U7_U_LED_BUFFER23.5
NetU4_U_LED_BUFFER23_17: U4_U_LED_BUFFER23.17 U7_U_LED_BUFFER23.4
NetU4_U_LED_BUFFER23_18: U4_U_LED_BUFFER23.18 U7_U_LED_BUFFER23.3
NetU4_U_LED_BUFFER23_20: U4_U_LED_BUFFER23.20 U7_U_LED_BUFFER23.2
NetU4_U_LED_BUFFER24_12: U4_U_LED_BUFFER24.12 U7_U_LED_BUFFER24.9
NetU4_U_LED_BUFFER24_13: U4_U_LED_BUFFER24.13 U7_U_LED_BUFFER24.8
NetU4_U_LED_BUFFER24_14: U4_U_LED_BUFFER24.14 U7_U_LED_BUFFER24.7
NetU4_U_LED_BUFFER24_15: U4_U_LED_BUFFER24.15 U7_U_LED_BUFFER24.6
NetU4_U_LED_BUFFER24_16: U4_U_LED_BUFFER24.16 U7_U_LED_BUFFER24.5
NetU4_U_LED_BUFFER24_17: U4_U_LED_BUFFER24.17 U7_U_LED_BUFFER24.4
NetU4_U_LED_BUFFER24_18: U4_U_LED_BUFFER24.18 U7_U_LED_BUFFER24.3
NetU4_U_LED_BUFFER24_20: U4_U_LED_BUFFER24.20 U7_U_LED_BUFFER24.2
NetU4_U_LED_BUFFER31_12: U4_U_LED_BUFFER31.12 U7_U_LED_BUFFER31.9 | length 98.7
  Top Layer w7: U7_U_LED_BUFFER31.9@175.67,-2430.43 U4_U_LED_BUFFER31.12@274.33,-2430.43
NetU4_U_LED_BUFFER31_13: U4_U_LED_BUFFER31.13 U7_U_LED_BUFFER31.8 | length 98.7
  Top Layer w7: U7_U_LED_BUFFER31.8@175.67,-2456.02 U4_U_LED_BUFFER31.13@274.33,-2456.02